# Altium PCB Thermostat_EEM.PCBDOC (part 10 of 10)
Units mm, origin at the board's own origin, x right, y up, seen from the top; angles counter-clockwise.
Board outline 162.48 x 100 mm, 4 copper layers (TOP, G1, L2, BOT), stack 1.55 mm thick; 903 components, 476 nets, 2667 pads, 1400 vias.
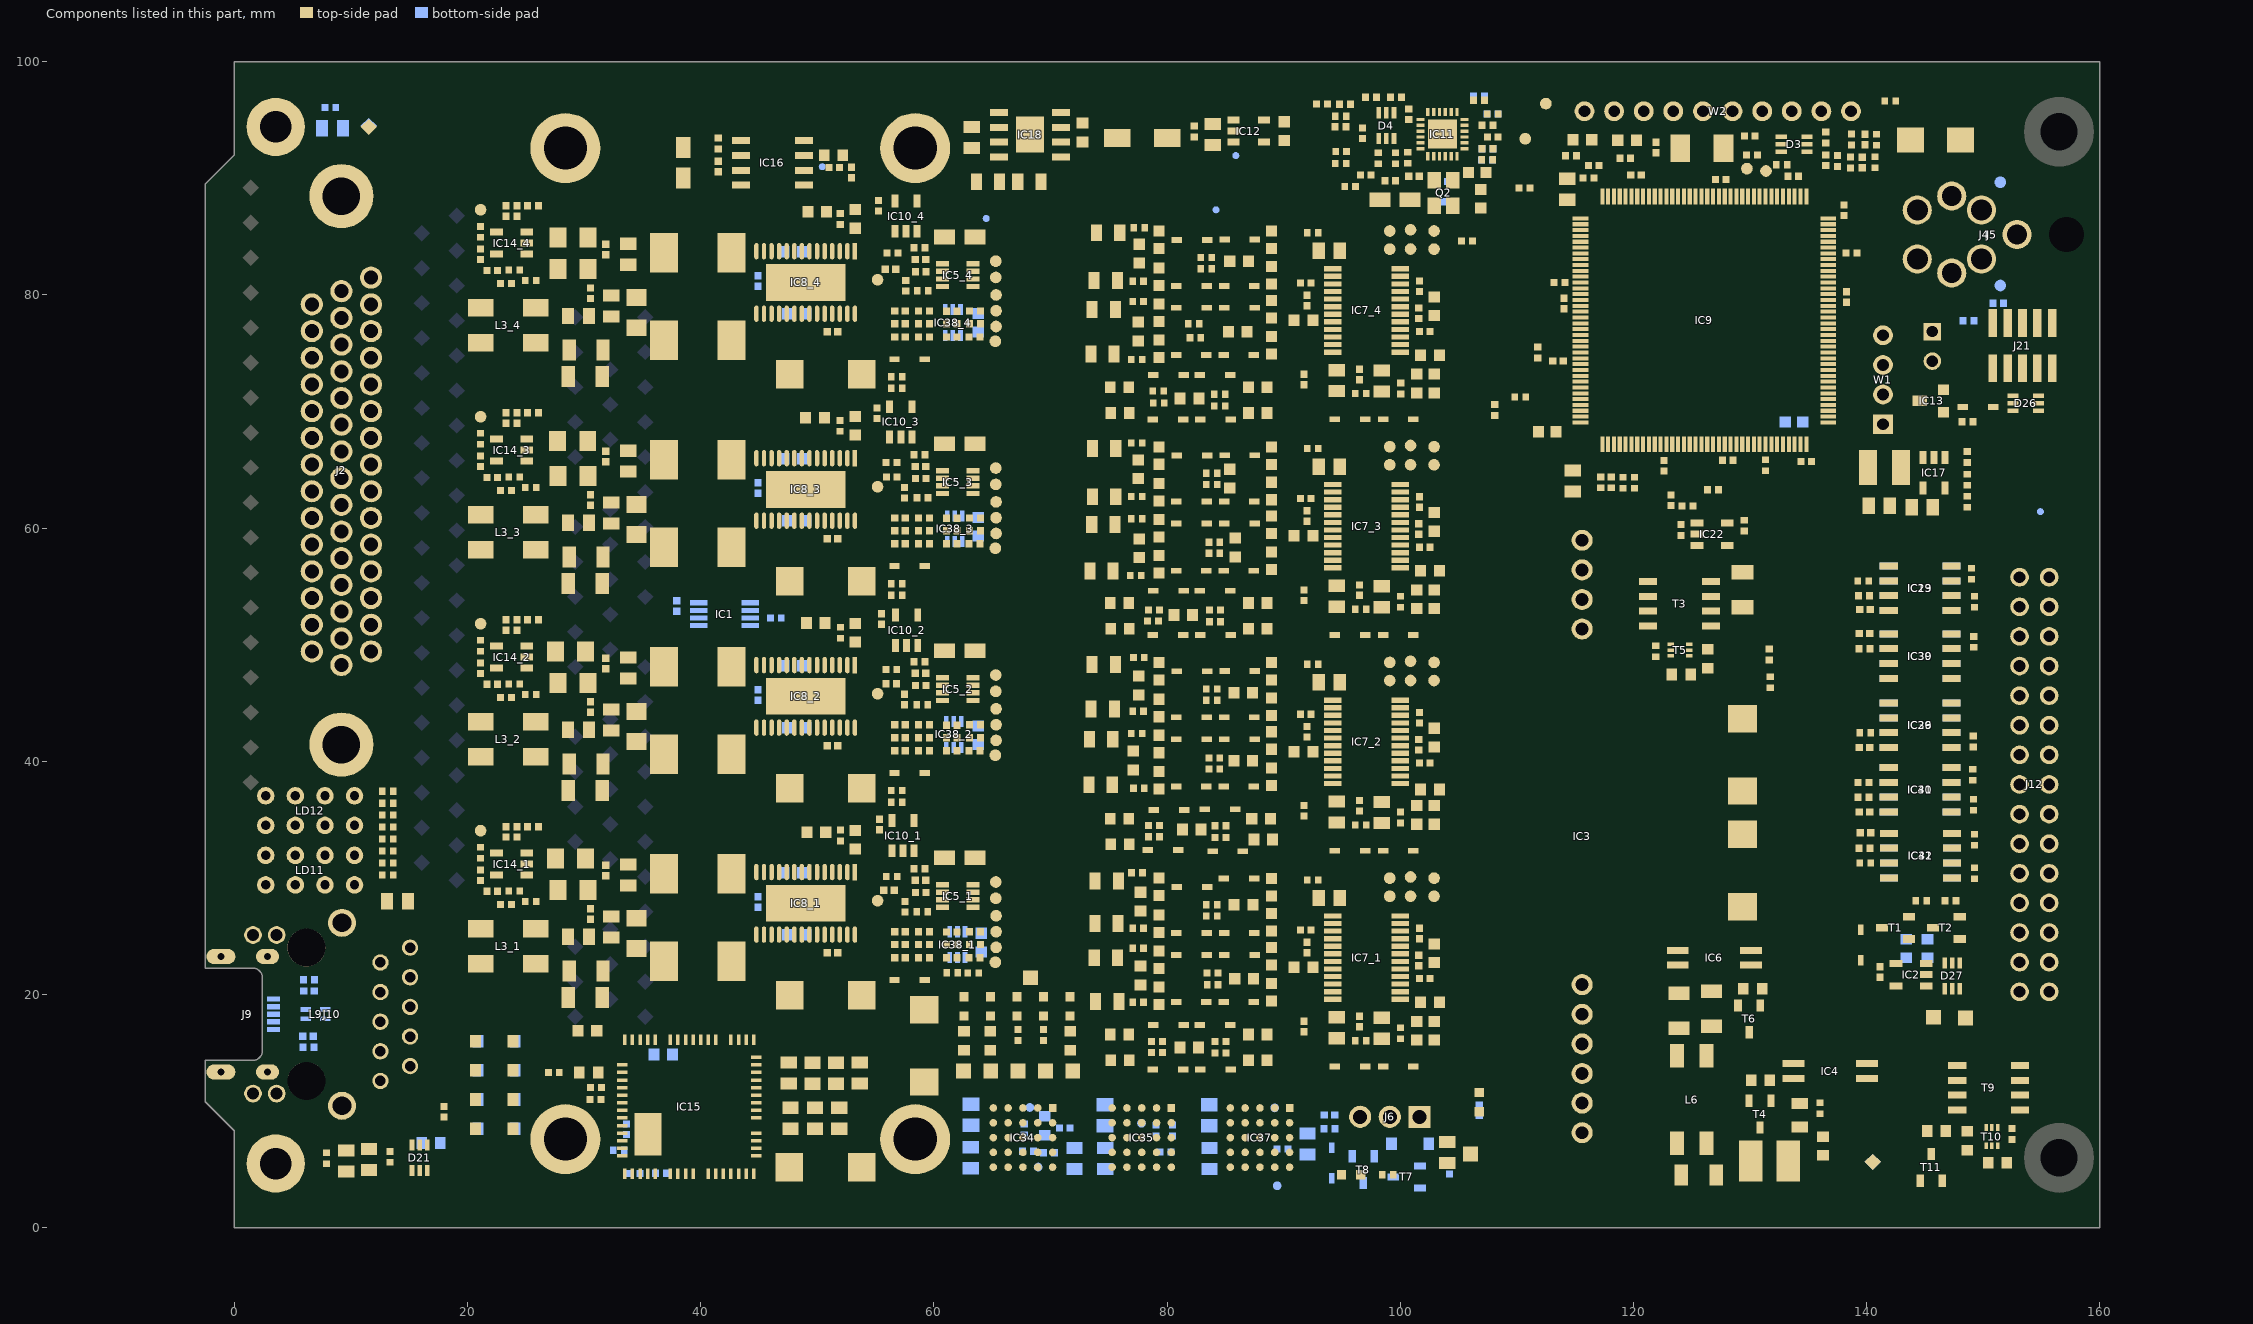
[diagram p12: the components of this part, seen from the top]

## Polygon pours and split planes (outlines as drawn) (continued)
SW2_2 on TOP "O8_Vs2" (solid, remove dead copper, pour order 32): 43.986,44.605 44.298,44.917 44.298,49.317 44.675,49.694 46.425,49.694 46.732,49.387 46.732,47.18 50.539,47.18 50.632,47.087 50.632,50.194 49.132,51.694 41.692,51.694 40.631,50.633 40.631,45.344 41.37,44.605
SW2_4 on TOP "O8_Vs2" (solid, remove dead copper, pour order 0): 43.986,80.105 44.298,80.417 44.298,84.817 44.675,85.194 46.425,85.194 46.732,84.887 46.732,82.68 50.539,82.68 50.632,82.587 50.632,85.694 49.132,87.194 41.692,87.194 40.631,86.133 40.631,80.844 41.37,80.105
SW1_4 on TOP "O8_Vs2" (solid, remove dead copper, pour order 1): 43.971,79.82 44.298,79.494 44.298,79.313 44.378,79.394 49.982,79.394 50.632,78.744 50.632,75.279 49.847,74.494 44.642,74.494 43.342,73.194 41.004,73.194 40.504,73.694 40.504,79.052 41.272,79.82
P12V0_EEM on TOP "O8_Vs2" (solid, remove dead copper, pour order 47): 151.078,9.042 157.504,9.042 159.511,11.049 159.511,22.758 158.088,24.181 152.678,24.181 151.037,22.54 151.037,9.109 151.078,9.068
SW1_1 on TOP "O8_Vs2" (solid, remove dead copper, pour order 40): 43.971,26.57 44.298,26.244 44.298,26.063 44.378,26.144 49.982,26.144 50.632,25.494 50.632,22.029 49.847,21.244 44.642,21.244 43.342,19.944 41.004,19.944 40.504,20.444 40.504,25.802 41.272,26.57
PNS_3 on TOP "O8_Vs2" (solid, remove dead copper, pour order 29): 32.325,64.971 32.325,64.301 33.223,63.982 33.264,60.983 38.358,60.983 39.225,61.85 39.225,67.669 37.451,69.444 29.016,69.444 29.016,64.926 29.328,64.92 29.328,64.971
SW1_2 on TOP "O8_Vs2" (solid, remove dead copper, pour order 33): 43.971,44.32 44.298,43.994 44.298,43.813 44.378,43.894 49.982,43.894 50.632,43.244 50.632,39.779 49.847,38.994 44.642,38.994 43.342,37.694 41.004,37.694 40.504,38.194 40.504,43.552 41.272,44.32
PNS_4 on TOP "O8_Vs2" (solid, remove dead copper, pour order 4): 32.325,82.721 32.325,82.051 33.223,81.732 33.264,78.733 38.358,78.733 39.225,79.6 39.225,85.419 37.451,87.194 29.016,87.194 29.016,82.676 29.328,82.67 29.328,82.721
PPS_2 on TOP "O8_Vs2" (solid, remove dead copper, pour order 34): 24.242,41.565 27.861,41.565 28.336,41.09 29.774,41.09 29.774,35.994 24.242,35.994
GND on TOP "O8_Vs2" (solid, remove dead copper, pour order 45): 29.65,29.775 29.74,29.865 34.11,29.865 34.11,28.812 33.15,28.812 33,28.661 33,26.144 31.441,26.144 30.579,27.006 29.373,27.006 29.373,29.45 29.697,29.775
PN_1 on TOP "O8_Vs2" (solid, remove dead copper, pour order 44): 29.373,24.004 29.373,29.07 28.841,29.602 28.841,33.751 28.648,33.944 26.153,33.944 25.885,33.676 25.885,28.466 24.242,26.822 24.242,23.939
PNS_1 on TOP "O8_Vs2" (solid, remove dead copper, pour order 43): 32.325,29.471 32.325,28.801 33.223,28.482 33.264,25.483 38.358,25.483 39.225,26.35 39.225,32.169 37.451,33.944 29.016,33.944 29.016,29.426 29.328,29.42 29.328,29.471
PP_1 on TOP "O8_Vs2" (solid, remove dead copper, pour order 42): 30.472,18.244 30.472,23.34 29.525,23.34 29.525,26.57 31.646,26.57 31.646,25.244 38.167,25.244 39.225,24.186 39.225,18.991 38.477,18.244
PPS_1 on TOP "O8_Vs2" (solid, remove dead copper, pour order 41): 24.275,23.815 27.861,23.815 28.336,23.34 29.774,23.34 29.774,18.244 24.275,18.244
GND on TOP "O8_Vs2" (solid, remove dead copper, pour order 38): 29.65,47.525 29.74,47.615 34.11,47.615 34.11,46.562 33.15,46.562 33,46.411 33,43.894 31.441,43.894 30.579,44.756 29.373,44.756 29.373,47.2 29.697,47.525
PN_2 on TOP "O8_Vs2" (solid, remove dead copper, pour order 37): 29.373,41.754 29.373,46.82 28.841,47.352 28.841,51.501 28.648,51.694 26.153,51.694 25.885,51.426 25.885,46.216 24.242,44.572 24.242,41.689
PNS_2 on TOP "O8_Vs2" (solid, remove dead copper, pour order 36): 32.325,47.221 32.325,46.551 33.223,46.232 33.264,43.233 38.358,43.233 39.225,44.1 39.225,49.919 37.451,51.694 29.016,51.694 29.016,47.176 29.328,47.17 29.328,47.221
PP_2 on TOP "O8_Vs2" (solid, remove dead copper, pour order 35): 30.472,35.994 30.472,41.09 29.525,41.09 29.525,44.32 31.646,44.32 31.646,42.994 38.167,42.994 39.225,41.936 39.225,36.741 38.477,35.994
GND on TOP "O8_Vs2" (solid, remove dead copper, pour order 31): 29.65,65.275 29.74,65.365 34.11,65.365 34.11,64.312 33.15,64.312 33,64.161 33,61.644 31.441,61.644 30.579,62.506 29.373,62.506 29.373,64.95 29.697,65.275
PP_3 on TOP "O8_Vs2" (solid, remove dead copper, pour order 28): 30.472,53.744 30.472,58.84 29.525,58.84 29.525,62.07 31.646,62.07 31.646,60.744 38.167,60.744 39.225,59.686 39.225,54.491 38.477,53.744
PPS_3 on TOP "O8_Vs2" (solid, remove dead copper, pour order 27): 24.242,59.315 27.861,59.315 28.336,58.84 29.774,58.84 29.774,53.744 24.242,53.744
GND on TOP "O8_Vs2" (solid, remove dead copper, pour order 24): 29.65,83.025 29.74,83.115 34.11,83.115 34.11,82.062 33.15,82.062 33,81.911 33,79.394 31.441,79.394 30.579,80.256 29.373,80.256 29.373,82.7 29.697,83.025
PP_4 on TOP "O8_Vs2" (solid, remove dead copper, pour order 3): 30.472,71.494 30.472,76.59 29.525,76.59 29.525,79.82 31.646,79.82 31.646,78.494 38.167,78.494 39.225,77.436 39.225,72.241 38.477,71.494
PPS_4 on TOP "O8_Vs2" (solid, remove dead copper, pour order 2): 24.242,77.065 27.861,77.065 28.336,76.59 29.774,76.59 29.774,71.494 24.242,71.494
P12V0 on TOP "O8_Vs2" (solid, remove dead copper, pour order 22): 40,6 40,3 40.8,2.2 49.4,2.2 51,3.8 51,6.2 52,7.2 53.1,7.2 53.1,7.3 53.6,7.8 53.6,9.2 53.3,9.5 47,9.5 46.2,8.7 44,8.7 43.8,8.5 43.8,7 43.2,6.4 40.4,6.4
GND on TOP "O8_Vs2" (solid, remove dead copper, pour order 21): 46.6,9.2 46.6,13 46.8,13.2 54.7,13.2 55,12.9 55,11.8 53.4,10.2 53.4,9.9 53.1,9.6 47.2,9.6 46.8,9.2
P5V0 on BOT "BOT-P5V0" (solid, remove dead copper, pour order 79): 81.735,9.313 87.663,9.313 87.663,12.047 84.732,12.047 83.529,13.25 74.595,13.25 69.601,18.244 56.328,18.244 56.328,83.149 53.046,86.431 42.029,86.431 40.8,85.202 40.8,18.45 46.25,13 53.125,13 55.3,10.825 65.844,10.825 66.454,10.215 66.454,9.504 81.735,9.504
GND on BOT "GND_L04_P071" (solid, pour order 71): 82.203,9.139 82.203,6.355 87.968,6.355 87.968,9.182
GND on BOT "GND_L04_P065" (solid, pour order 65): 61.701,9.245 61.701,6.412 67.121,6.412 67.121,9.286
P5V0 on BOT "P5V0_L04_P064" (solid, pour order 64): 67.65,11.65 61.198,11.65 61.198,9.337 67.65,9.337 67.65,10.127
P12V0 on BOT "P12V0_L04_P072" (solid, pour order 72): 88.27,3.893 82.695,3.893 82.695,6.192 88.27,6.192
P12V0 on BOT "P12V0_L04_P066" (solid, pour order 66): 67.541,3.95 61.198,3.95 61.198,6.249 67.541,6.249
P5V0 on BOT "P5V0_L04_P061" (solid, pour order 61): 79.057,12.047 72.758,12.047 72.758,9.313 79.057,9.313 79.057,10.071
GND on BOT "GND_L04_P062" (solid, pour order 62): 71.441,9.132 71.441,6.355 78.528,6.355 78.528,9.186
P12V0 on BOT "P12V0_L04_P063" (solid, pour order 63): 78.947,3.893 71.666,3.893 71.666,6.192 78.947,6.192
AVDDT_PHY on BOT "O8_Vs2" (solid, remove dead copper, pour order 56): 100.96,97.104 102.72,95.344 102.72,89.38 101.275,87.935 94.258,87.935 92.429,89.764 92.429,94.417 94.035,96.023 95.879,96.023 96.96,97.104
P3V3IO on BOT "O8_Vs2" (solid, remove dead copper, pour order 57): 89.97,29.11 92.36,29.11 93,29.75 93,88.01 92.048,88.961 92.048,94.709 91.315,95.443 89.93,95.443 89.429,94.942 89.429,29.651
P5V0A on BOT "O8_Vs2" (solid, remove dead copper, pour order 58): 89,88.923 89,13.677 88.073,12.75 86.389,12.75 85.681,13.458 85.681,88.46 86.144,88.923
P3V3 on L2 "O8_Vs2" (solid, remove dead copper, pour order 52): 138.882,27.356 138.882,60.022 135.844,63.059 113.876,63.059 112.617,64.318 112.617,66.363 115.284,69.029 130.858,69.029 133.578,71.749 133.578,86.951 133.036,87.493 106.46,87.493 104.325,89.628 84.513,89.628 83.819,90.322 83.819,92.498 83.717,92.6 86.804,95.687 113.03,95.687 115.343,98 147.571,98 156.818,88.753 156.818,29.591 152.904,25.677 139.774,25.677 138.911,26.539 138.911,27.356
P12V0 on L2 "O8_Vs2" (solid, remove dead copper, pour order 54): 48.31,7.25 48.31,3.676 49.386,2.6 111.52,2.6 111.52,4.915 109.185,7.25 54.623,7.25 53.868,8.005 49.065,8.005
GND on G1 (split plane): 159.484,0.51 131.51,0.51 131.51,11.5 131.501,11.6 131.472,11.695 131.424,11.784 131.361,11.861 131.01,12.211 131.01,13.5 131.001,13.6 130.972,13.695 130.924,13.784 130.861,13.861 129.861,14.861 129.784,14.924 129.695,14.972 129.6,15.001 129.5,15.01 127,15.01 126.9,15.001 126.805,14.972 126.716,14.924 126.639,14.861 124.639,12.861 124.576,12.784 124.528,12.695 124.499,12.6 124.49,12.5 124.49,4.711 122.789,3.01 26.211,3.01 26.01,3.211 26.01,7.789 26.361,8.139 26.424,8.216 26.472,8.305 26.501,8.4 26.51,8.5 26.51,14.5 26.501,14.6 26.472,14.695 26.424,14.784 26.361,14.861 24.861,16.361 24.784,16.424 24.695,16.472 24.6,16.501 24.5,16.51 22.5,16.51 22.4,16.501 22.305,16.472 22.216,16.424 22.139,16.361 21.639,15.861 21.576,15.784 21.528,15.695 21.499,15.6 21.49,15.5 21.49,0.51 0.51,0.51 0.51,8.32 0.501,8.419 0.472,8.515 0.424,8.603 0.361,8.681 -1.979,11.02 -1.979,13.851 1.606,13.851 1.615,13.852 1.753,13.86 1.898,13.885 2.039,13.925 2.174,13.981 2.303,14.053 2.423,14.138 2.532,14.235 2.63,14.345 2.715,14.465 2.786,14.593 2.843,14.729 2.883,14.87 2.908,15.015 2.916,15.152 2.916,15.162 2.916,21.462 2.916,21.471 2.908,21.608 2.883,21.753 2.843,21.894 2.786,22.03 2.715,22.159 2.63,22.279 2.532,22.388 2.423,22.486 2.303,22.571 2.174,22.642 2.039,22.698 1.898,22.739 1.753,22.764 1.615,22.771 1.606,22.772 -1.979,22.772 -1.979,44.007 -1.964,44.032 -1.928,44.119 -1.906,44.211 -1.898,44.305 -1.898,85.75 -1.906,85.845 -1.928,85.936 -1.964,86.024 -1.979,86.048 -1.979,89.299 -0.639,90.639 0.361,91.639 0.424,91.716 0.472,91.805 0.501,91.9 0.51,92 0.51,99.489 159.484,99.489
POE_VC- on G1 (split plane): 25.49,14.289 25.49,8.711 25.139,8.361 25.076,8.284 25.028,8.195 24.999,8.1 24.99,8 24.99,3 24.999,2.9 25.028,2.805 25.076,2.716 25.139,2.639 25.639,2.139 25.716,2.076 25.805,2.028 25.9,1.999 26,1.99 123,1.99 123.1,1.999 123.195,2.028 123.284,2.076 123.361,2.139 125.361,4.139 125.424,4.216 125.472,4.305 125.501,4.4 125.51,4.5 125.51,12.289 127.211,13.99 129.289,13.99 129.99,13.289 129.99,12 129.999,11.9 130.028,11.805 130.076,11.716 130.139,11.639 130.49,11.289 130.49,0.51 22.51,0.51 22.51,15.289 22.711,15.49 24.289,15.49

## Keep-outs
L2:
  lines w0.2: 5.053,63.195 3.936,64.313 3.936,80.797 8.533,85.395 8.533,85.42 ; 12.267,89.721 14.621,92.075 24.825,92.075 ; 13.232,63.297 14.299,63.297 18.871,67.869 48.64,67.869 48.817,67.691 69.569,67.691 70.788,66.472 76.021,66.472 77.215,67.666 77.215,69.367 74.573,72.009 74.573,73.152 74.751,73.33 74.751,73.965 74.344,74.371 16.255,74.371 15.721,74.905 15.721,79.743 21.018,85.039 37.92,85.039 38.505,85.623 74.903,85.623 75.564,86.284 75.564,86.843 ; 31.773,91.475 32.266,91.475 33.391,92.6 39.395,92.6 53.753,92.6 55.396,90.957 ; 61.924,91.084 71.042,91.084 75.487,91.084 76.021,90.551 76.021,87.757
BOT:
  lines w0.2: 67.766,53.518 68.121,53.162 68.121,23.547 71.785,19.883 71.785,18.51 75.589,14.707 77.164,14.707 78.231,15.773 78.642,16.184 78.642,18.484 77.164,19.962 77.164,90.338 76.095,91.407 70.885,91.407 68.75,89.272 68.75,73.577 67.766,72.593 67.766,53.518
KeepOutLayer:
  lines w0.1: 0,2.5 24.5,2.5 ; 0,98 160,98 160,3.08 ; 27.431,2.5 120.953,2.5 ; 124.5,2.5 160,2.5
  lines w0.254: 159.06,85.164 cw(c157.141,85.185) 159.06,85.185

## Other copper
TOP:
  rectangle net SW2_3: 49.982,66.788 50.189,67.194
  rectangle net SW2_2: 50.037,49.022 50.214,49.251
  rectangle net SW2_1: 49.833,31.293 50.189,31.521
  rectangle net SW2_4: 49.935,84.531 50.189,84.811
  rectangle net LVDS0_P: 147.928,55.27 148.335,55.601
  rectangle net LVDS0_N: 147.877,56.439 148.335,56.794
  rectangle net NetIC19_6: 140.156,55.296 140.664,55.677
  rectangle net NetIC32_2: 140.486,32.334 141.223,32.817
  rectangle net NetIC32_3: 140.537,31.039 141.273,31.572
  rectangle net LVDS3_N: 148.538,40.996 148.995,41.402
  rectangle net LVDS4_P: 147.643,37.877 148.584,38.457
  rectangle net LVDS4_N: 147.59,39.191 148.488,39.746
  rectangle net P12V0: 107.39,3.835 109.955,4.75
L2:
  rectangle net P12V0: 107.384,3.632 110.057,4.75
BOT:
  rectangle net GND: 102.635,92.759 104.635,94.872
  rectangle net GND: 45.719,26.467 52.297,29.312
  rectangle net GND: 45.693,44.196 52.272,47.041
  rectangle net GND: 45.668,61.976 52.246,64.821
  rectangle net GND: 45.693,79.705 52.272,82.55
  rectangle net LVDS0_N: 147.877,56.439 148.36,56.82
  rectangle net LVDS0_P: 147.852,55.22 148.335,55.677
  rectangle net LVDS4_N: 147.928,39.294 148.309,39.675
  rectangle net LVDS4_P: 147.852,37.998 148.309,38.405
  rectangle net NetIC32_3: 140.867,31.064 141.4,31.521
G1 (plane layer: these items are gaps in the copper):
  rectangle: 12.975,22 14.378,23.525
  lines w1.016: 22,0 22,15.5 22.5,16 24.5,16 26,14.5 26,8.5 25.5,8 25.5,3 26,2.5 123,2.5 125,4.5 125,12.5 127,14.5 129.5,14.5 130.5,13.5 130.5,12 131,11.5 131,0
  lines w1.2: -2.5,44.305 -2.5,85.75

## Silkscreen, mask and mechanical layers (free items; w line width, h text height)
TopOverlay:
  drawing of 1238 lines, arcs and shapes, not listed
  text "WUT ISE / CTI 2024" at 86.217,97.533 h1.02
  text "Thermostat EEM  v1.1.1" at 49.003,97.412 h1.52
  text "+12V" at 149.973,91.215 h1.02
  text "P12V0" at 105.883,9.245 h0.8 r90
  text "T" at 95.614,5.073 h1
  text "P" at 98.414,5.073 h1
  text "G" at 99.789,5.073 h1
  text "OVERTEMP" at 93.056,2.5 h1
BottomOverlay:
  drawing of 1237 lines, arcs and shapes, not listed
  text "WUT ISE / CTI 2024" at 31.75,97.75 h1.02
  text "Thermostat EEM  v1.1.1" at 69.356,97.712 h1.52
  text "P3V3" at 86.95,92.95 h0.6
  text "P12V0" at 51.782,91.939 h0.6
  text "GND" at 154.15,89.35 h0.6
  text "P3V0REF" at 66.727,87.501 h0.6
  text "P5V0A" at 83.15,87.05 h0.6
  text "P12V0_IN" at 156.991,80.6 h0.6
  text "P5V0" at 153.75,61.244 h0.6
BottomSolder:
  circle w2: c58.4,7.6 r1
  circle w2: c28.4,7.6 r1
  circle w2: c28.4,92.6 r1
  circle w2: c58.4,92.6 r1
  rectangle: 45.642,26.391 52.348,29.362
  rectangle: 45.642,44.145 52.348,47.117
  rectangle: 45.642,61.9 52.348,64.872
  rectangle: 45.642,79.629 52.348,82.601
  rectangle: 102.691,92.862 104.545,94.742
Mechanical1:
  drawing of 305 lines, arcs and shapes, not listed
  text "Layer" at 169.099,74.677 h1.52
  text "Name" at 179.511,74.677 h1.52
  text "Material" at 201.603,74.677 h1.52
  text "Thickness" at 223.441,74.677 h1.52
  text "Constant" at 239.947,74.677 h1.52
  text "Board Layer Stack" at 254.421,74.677 h1.52
  text "TopOverlay" at 179.511,71.629 h1.52
  text "TopSolder" at 179.511,68.581 h1.52
  text "Solder Resist" at 201.603,68.581 h1.52
  text "0,010mm" at 223.441,68.581 h1.52
  text "3.5" at 239.947,68.581 h1.52
  text "1" at 169.099,65.533 h1.52
  text "TOP" at 179.511,65.533 h1.52
  text "0,035mm" at 223.441,65.533 h1.52
  text "Dielectric1" at 179.511,62.485 h1.52
  text "FR-4" at 201.603,62.485 h1.52
  text "0,180mm" at 223.441,62.485 h1.52
  text "4.8" at 239.947,62.485 h1.52
  text "2" at 169.099,59.437 h1.52
  text "G1" at 179.511,59.437 h1.52
  text "CF-004" at 201.603,59.437 h1.52
  text "0,035mm" at 223.441,59.437 h1.52
  text "Dielectric2" at 179.511,56.389 h1.52
  text "Core-042" at 201.603,56.389 h1.52
  text "1,050mm" at 223.441,56.389 h1.52
  text "4.6" at 239.947,56.389 h1.52
  text "3" at 169.099,53.341 h1.52
  text "L2" at 179.511,53.341 h1.52
  text "CF-004" at 201.603,53.341 h1.52
  text "0,035mm" at 223.441,53.341 h1.52
  text "Dielectric3" at 179.511,50.293 h1.52
  text "FR-4" at 201.603,50.293 h1.52
  text "0,180mm" at 223.441,50.293 h1.52
  text "4.8" at 239.947,50.293 h1.52
  text "4" at 169.099,47.245 h1.52
  text "BOT" at 179.511,47.245 h1.52
  text "0,035mm" at 223.441,47.245 h1.52
  text "BottomSolder" at 179.511,44.197 h1.52
  text "Solder Resist" at 201.603,44.197 h1.52
  text "0,010mm" at 223.441,44.197 h1.52
  text "3.5" at 239.947,44.197 h1.52
  text "BottomOverlay" at 179.511,41.149 h1.52

## Text inside footprints (layer, text, board x,y; h text height)
IC3: TopOverlay "1" at 116.15,6.039 h1.2 r90; Mechanical14 "1" at 116.15,6.039 h1.2 r90
IC15: Mechanical13 "*" at 32.426,3.095 h1.27 r90
IC34: Mechanical14 "1" at 71.142,10.336 h0.4 r270; Mechanical14 "2" at 71.142,9.136 h0.4 r270; Mechanical14 "3" at 71.142,7.876 h0.4 r270; Mechanical14 "4" at 71.142,6.616 h0.4 r270; Mechanical14 "5" at 71.142,5.336 h0.4 r270; Mechanical14 "E" at 64.902,11.536 h0.4 r270; Mechanical14 "D" at 66.172,11.536 h0.4 r270; Mechanical14 "C" at 67.442,11.536 h0.4 r270; Mechanical14 "B" at 68.712,11.536 h0.4 r270; Mechanical14 "A" at 69.982,11.536 h0.4 r270
IC35: Mechanical14 "1" at 81.33,10.336 h0.4 r270; Mechanical14 "2" at 81.33,9.136 h0.4 r270; Mechanical14 "3" at 81.33,7.876 h0.4 r270; Mechanical14 "4" at 81.33,6.616 h0.4 r270; Mechanical14 "5" at 81.33,5.336 h0.4 r270; Mechanical14 "E" at 75.09,11.536 h0.4 r270; Mechanical14 "D" at 76.36,11.536 h0.4 r270; Mechanical14 "C" at 77.63,11.536 h0.4 r270; Mechanical14 "B" at 78.9,11.536 h0.4 r270; Mechanical14 "A" at 80.17,11.536 h0.4 r270
IC37: Mechanical14 "1" at 91.468,10.336 h0.4 r270; Mechanical14 "2" at 91.468,9.136 h0.4 r270; Mechanical14 "3" at 91.468,7.876 h0.4 r270; Mechanical14 "4" at 91.468,6.616 h0.4 r270; Mechanical14 "5" at 91.468,5.336 h0.4 r270; Mechanical14 "E" at 85.228,11.536 h0.4 r270; Mechanical14 "D" at 86.498,11.536 h0.4 r270; Mechanical14 "C" at 87.768,11.536 h0.4 r270; Mechanical14 "B" at 89.038,11.536 h0.4 r270; Mechanical14 "A" at 90.308,11.536 h0.4 r270
J2: TopOverlay "31" at 7.19,46.367 h1.2 r90; TopOverlay "44" at 7.19,80.767 h1.2 r90; TopOverlay "30" at 9.79,81.967 h1.2 r90; Mechanical14 "31" at 7.19,46.367 h1.2 r90; Mechanical14 "44" at 7.19,80.767 h1.2 r90; Mechanical14 "30" at 9.79,81.967 h1.2 r90; Mechanical14 "1" at 12.29,47.567 h1.2 r90
J5: TopOverlay "1" at 148.891,89.66 h1.2 r270; Mechanical14 "1" at 148.891,89.66 h1.2 r270
J6: TopOverlay "1" at 101.853,8.117 h1 r180; Mechanical14 "1" at 101.853,8.117 h1 r180
J9: DrillDrawing "7.9" at -0.944,15.962 h1 r270; DrillDrawing "5.5" at -0.544,21.112 h1 r180; DrillDrawing "r0.8" at 1.08,16.088 h1 r270
J12: TopOverlay "30" at 157.051,20.873 h1.02 r270; Mechanical14 "30" at 157.051,20.873 h1.02 r270
LD11: TopOverlay "A" at 1.918,30.345 h1 r90; TopOverlay "B" at 4.458,30.345 h1 r90; TopOverlay "C" at 6.998,30.345 h1 r90; TopOverlay "D" at 9.538,30.345 h1 r90; TopOverlay "A" at 11.524,31.579 h1; Mechanical14 "A" at 1.918,30.345 h1 r90; Mechanical14 "B" at 4.458,30.345 h1 r90; Mechanical14 "C" at 6.998,30.345 h1 r90; Mechanical14 "D" at 9.538,30.345 h1 r90; Mechanical14 "C" at 11.589,29.025 h1; Mechanical14 "A" at 11.589,31.565 h1
LD12: TopOverlay "A" at 1.918,35.451 h1 r90; TopOverlay "B" at 4.458,35.451 h1 r90; TopOverlay "C" at 6.998,35.451 h1 r90; TopOverlay "D" at 9.538,35.451 h1 r90; TopOverlay "A" at 11.53,36.676 h1; TopOverlay "C" at 11.519,34.119 h1; Mechanical14 "A" at 1.918,35.451 h1 r90; Mechanical14 "B" at 4.458,35.451 h1 r90; Mechanical14 "C" at 6.998,35.451 h1 r90; Mechanical14 "D" at 9.538,35.451 h1 r90; Mechanical14 "C" at 11.589,34.131 h1; Mechanical14 "A" at 11.589,36.671 h1